# Altium PCB GameBoard_V1I1_Phase1.PcbDoc (part 3 of 18) (continued)
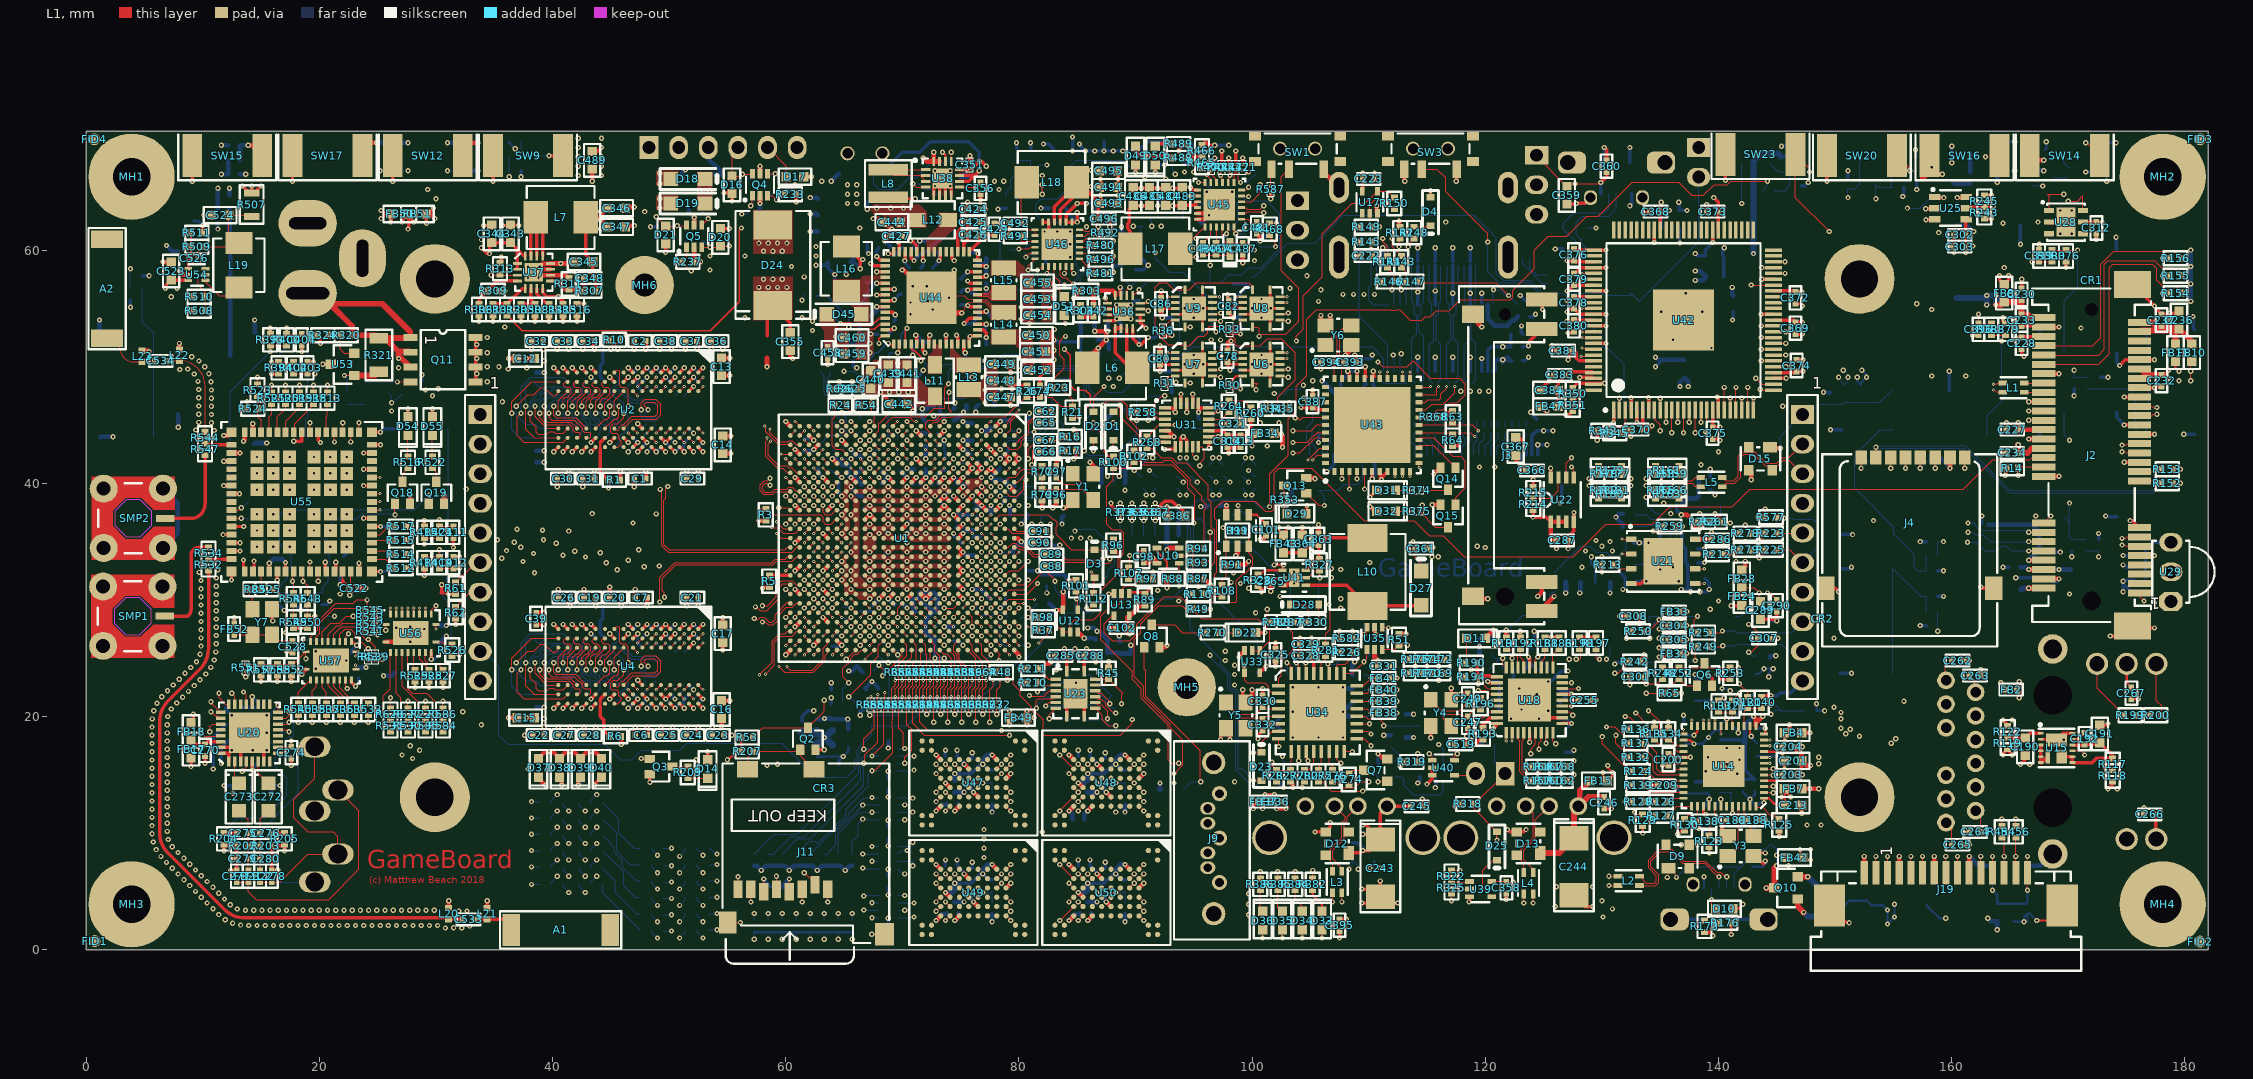
[diagram p0: L1 view]
## Components (designator, comment, footprint, x,y, rotation, side; value= is the part's Value field where it differs from the comment) (continued)
R673 "4k99" R0201 77.5,21 r270 top
R674 "0R" R0402 66.4,45 r90 bottom
RN1 "EXB-D10C103J" EXB-D10C103J 68.8,12.1 r0 bottom
RN2 "EXB-D10C103J" EXB-D10C103J 68.8,16.3 r0 bottom
RN3 "EXB-D10C103J" EXB-D10C103J 68.8,3.7 r0 bottom
RN4 "EXB-D10C103J" EXB-D10C103J 68.8,7.9 r0 bottom
SMP1 "Coax Conn" SMP-F 4,28.6 r90 top
SMP2 "Coax Conn" SMP-F 4.05,37 r90 top
SW1 "SSSS811101" SSSS811101 103.9,68.7 r180 top
SW2 "SSSS811101" SSSS811101 66.8,68.3 r0 bottom
SW3 "SSSS811101" SSSS811101 115.3,68.7 r180 top
SW4 "TL3301SPF160QG" TACT_SMD_PLUNGER 171.9,55.6 r90 bottom
SW5 "TL3301SPF160QG" TACT_SMD_PLUNGER 171.9,41.6 r90 bottom
SW6 "TL3301SPF160QG" TACT_SMD_PLUNGER 178.6,48.7 r90 bottom
SW7 "TL3301SPF160QG" TACT_SMD_PLUNGER 165.3,48.6 r90 bottom
SW8 "TL3301SPF160QG" TACT_SMD_PLUNGER 10.1,55.425 r270 bottom locked
SW9 "KSS331GLFS" TACT_SMD_RA 37.9,68.1 r0 top
SW10 "TL3301SPF160QG" TACT_SMD_PLUNGER 10.1,41.425 r270 bottom locked
SW11 "TL3301SPF160QG" TACT_SMD_PLUNGER 16.75,48.425 r270 bottom locked
SW12 "KSS331GLFS" TACT_SMD_RA 29.3,68.1 r0 top locked
SW13 "TL3301SPF160QG" TACT_SMD_PLUNGER 3.45,48.425 r270 bottom locked
SW14 "KSS331GLFS" TACT_SMD_RA 169.7,68.1 r0 top
SW15 "KSS331GLFS" TACT_SMD_RA 12.1,68.1 r0 top
SW16 "KSS331GLFS" TACT_SMD_RA 161.1,68.1 r0 top
SW17 "KSS331GLFS" TACT_SMD_RA 20.7,68.1 r0 top locked
SW18 "TL3301SPF160QG" TACT_SMD_PLUNGER 28.7,28.2 r270 bottom locked
SW19 "TL3301SPF160QG" TACT_SMD_PLUNGER 28.7,40.2 r270 bottom
SW20 "KSS331GLFS" TACT_SMD_RA 152.3,68.1 r0 top
SW21 "TL3301SPF160QG" TACT_SMD_PLUNGER 152.7,28.2 r270 bottom
SW22 "TL3301SPF160QG" TACT_SMD_PLUNGER 152.8,40.1 r270 bottom locked
SW23 "KSS331GLFS" TACT_SMD_RA 143.6,68.2 r0 top
TP1 "TP_25MILC" TP_25C 79.9,40.4 r90 bottom
TP2 "TP_25MILC" TP_25C 109.6,27.9 r90 bottom
TP3 "TP_25MILC" TP_25C 82,37.2 r90 bottom
TP4 "TP_25MILC" TP_25C 81.8,46.6 r90 bottom
TP5 "TP_25MILC" TP_25C 84.4,49 r90 bottom
TP6 "TP_25MILC" TP_25C 81.8,47.9 r90 bottom
TP7 "TP_25MILC" TP_25C 83.4,47.2 r90 bottom
TP8 "TP_25MILC" TP_25C 84.6,47.2 r90 bottom
TP9 "TP_25MILC" TP_25C 173.9,15.2 r180 bottom
TP10 "TP_25MILC" TP_25C 135.7,11.1 r90 bottom
TP11 "TP_25MILC" TP_25C 144.5,9.1 r90 bottom
TP12 "TP_25MILC" TP_25C 16.46,19.35 r90 bottom
TP13 "TP_25MILC" TP_25C 16.46,18.35 r90 bottom
TP14 "TP_25MILC" TP_25C 83.4,22.1 r180 bottom
TP15 "TP_25MILC" TP_25C 86.4,21 r180 bottom
TP16 "TP_25MILC" TP_25C 82.7,22.6 r180 bottom
TP17 "TP_25MILC" TP_25C 83.4,19.7 r180 bottom
TP18 "TP_25MILC" TP_25C 98.2,30.743 r0 bottom
TP19 "TP_25MILC" TP_25C 102.9,23.6 r90 bottom
TP20 "TP_25MILC" TP_25C 104,23.6 r90 bottom
TP21 "TP_25MILC" TP_25C 43.2,62.6 r270 bottom
TP22 "TP_25MILC" TP_25C 58.9,55.9 r270 bottom
TP23 "TP_25MILC" TP_25C 73,64.725 r270 bottom
TP24 "TP_25MILC" TP_25C 27.1,47.7 r90 bottom
TP25 "TP_25MILC" TP_25C 101.6,63 r90 bottom
TP26 "TP_25MILC" TP_25C 9.2,62.5 r90 bottom
TP27 "TP_25MILC" TP_25C 76.6,55.2 r270 bottom
TP28 "TP_25MILC" TP_25C 9,19.5 r270 bottom
TP29 "TP_25MILC" TP_25C 89.6,25.4 r270 bottom
TP30 "TP_25MILC" TP_25C 73.4,60.9 r270 bottom
TP31 "TP_25MILC" TP_25C 99.2,32.8 r270 bottom
TP32 "TP_25MILC" TP_25C 69.766,47 r270 bottom
TP33 "TP_25MILC" TP_25C 64.6,15.9 r90 bottom
TP34 "TP_25MILC" TP_25C 87.7,51.5 r270 bottom
TP35 "TP_25MILC" TP_25C 78,54.3 r270 bottom
TP36 "TP_25MILC" TP_25C 77.2,59.3 r270 bottom
TP37 "TP_25MILC" TP_25C 63.4,51.9 r180 bottom
TP38 "TP_25MILC" TP_25C 66.9,57.2 r270 bottom
TP39 "TP_25MILC" TP_25C 96.6,53.7 r270 bottom
TP40 "TP_25MILC" TP_25C 63.7,56.1 r90 bottom
TP41 "TP_25MILC" TP_25C 63.7,54.7 r90 bottom
TP42 "TP_25MILC" TP_25C 62.9,49.6 r90 bottom
TP43 "TP_25MILC" TP_25C 63.8,49.6 r90 bottom
TP44 "TP_25MILC" TP_25C 94.1,62.6 r270 bottom
TP45 "TP_25MILC" TP_25C 92.6,64.5 r270 bottom
TP46 "TP_25MILC" TP_25C 99.4,61.3 r270 bottom
TP47 "TP_25MILC" TP_25C 93.7,69.3 r270 bottom
TP48 "TP_25MILC" TP_25C 100.4,66.6 r270 bottom
TP49 "TP_25MILC" TP_25C 98.9,67 r270 bottom
TP50 "TP_25MILC" TP_25C 87.1,61 r270 bottom
TP51 "TP_25MILC" TP_25C 86.9,65.4 r270 bottom
TP52 "TP_25MILC" TP_25C 111.5,26.7 r90 bottom
TP53 "TP_25MILC" TP_25C 108.6,26.7 r90 bottom
TP54 "TP_25MILC" TP_25C 114.383,19.3 r90 bottom
TP55 "TP_25MILC" TP_25C 107.4,24.7 r90 bottom
TP56 "TP_25MILC" TP_25C 103.2,48.075 r90 bottom
TP57 "TP_25MILC" TP_25C 14,37 r90 bottom
TP58 "TP_25MILC" TP_25C 14,38.5 r90 bottom
TP59 "TP_25MILC" TP_25C 19.9,32.5 r90 bottom
TP60 "TP_25MILC" TP_25C 18.9,32.5 r90 bottom
U1 "MCIMX6Q5EYM10AC_v.ORX" PBGA624 70,35.3 r270 top locked
U2 "MT41J128M16JT-125:KTR" 96_FPGA_DD3_14MMX10MM-SMALL_SIZE 46.5,46.3 r270 top locked
U3 "MT41J128M16JT-125:KTR" 96_FPGA_DD3_14MMX10MM-SMALL_SIZE 46.5,46.3 r90 bottom locked
U4 "MT41J128M16JT-125:KTR" 96_FPGA_DD3_14MMX10MM-SMALL_SIZE 46.5,24.3 r270 top locked
U5 "MT41J128M16JT-125:KTR" 96_FPGA_DD3_14MMX10MM-SMALL_SIZE 46.5,24.3 r90 bottom locked
U6 "HD3SS3411IRWAR" QFN50P330X330X80_HS-15N 100.8,50.2 r0 top locked
U7 "HD3SS3411IRWAR" QFN50P330X330X80_HS-15N 95,50.2 r0 top locked
U8 "HD3SS3411IRWAR" QFN50P330X330X80_HS-15N 100.8,55 r0 top locked
U9 "HD3SS3411IRWAR" QFN50P330X330X80_HS-15N 95,55 r0 top locked
U10 "SN74AHC1G09DCKR" SC70_5 92.8,33.8 r180 top
U11 "TPS3808G09DBVRG4" DBV_SOT_23_6 98.75,35.95 r90 top locked value=TPS3808G09DBVR
U12 "SN74LVC1G08DCKR" SC70_5 84.4,28.2 r90 top
U13 "SN74AHC1G09DCKR" SC70_5 88.8,29.6 r270 top
U14 "KSZ9031RNXIA" QFN48_SMALL_EP_7MMX7MM 140.45,15.74 r180 top
U15 "MIC33050-4YHL TR" MLF_3X3_12PINS 169,17.3 r0 top
U16 "CM2020-00TR" TSSOP_38 116.2,52.45 r90 bottom locked
U17 "SN74LVC1G17DCKR" SC70_5 110.1,64.1 r90 top
U18 "USB2514BI-AEZG" QFN36_6MMX6MM 123.8,21.4 r90 top
U19 "MIC2026-1YM TR" 8_SOIC_3.9MM 128.8,28.7 r90 bottom
U20 "SGTL5000XNAA3R2" "QFN32 5X5X0.85_V1.1" 14,18.6 r90 top
U21 "SST26VF032B-104I/MF" WSON8_6X5MM 135.25,33.305 r0 top locked
U22 "BR24L02FVM-WTR" "MSOP8 _SMALLER" 126.6,38.6 r90 top
U23 "SN74AVC4T245RGYR" "RGY (R-PVQFN-N16)" 84.85,21.95 r270 top
U24 "SN74LVC1G08DCKR" SC70_5 132.8,24 r0 bottom
U25 "TMP101NA" SOT23-6_DBV6 159.9,63.6 r0 top
U26 "TJA1040T" 8_SOIC_3.9MM 138.6,26.7 r0 bottom
U27 "SN74LVC1G08DCKR" SC70_5 133.1,27.9 r180 bottom
U28 "SHT21" 6_DFN_3MMX3MM 169.8,62.4 r0 top
U29 "TSOP38238" TSOP382 178.8,29.86 r180 top
U30 "FXOS8700CQR1" QFN16_3X3MM 136.4,36.9 r0 bottom
U31 "FXAS21002CQR1" QFN24_4X4MM 94.4,45 r0 top
U32 "SN74LVC1G14DCKR" SC70_5 132.1,34 r270 bottom
U33 "SN74AHC1G09DCKR" SC70_5 100,24.7 r270 top
U34 "LPC1345FHN33,551-ND" HVQFN33_7X7MM 105.625,20.35 r0 top locked
U35 "TS5A3157DCKR" SC70_6 110.5,26.7 r270 top
U36 "ISL8024AIRTAJZ-T7A" 16-TQFN_3MMX3MM_V1.1 89,54.7 r180 top locked
U37 "ISL8024AIRTAJZ-T7A" 16-TQFN_3MMX3MM_V1.1 38.4,58.1 r0 top locked
U38 "TPS62133RGTR" QFN16_3MMX3MM 73.45,66.15 r0 top locked
U39 "M74VHC1GT126DF1G" SC70_5 119.6,5.2 r0 top
U40 "M74VHC1GT126DF1G" SC70_5 116.4,15.6 r0 top
U41 "TPS61165DRVR" SON65P200X80_HS-7N 103.6,31.9 r0 top
U42 "TFP401AIPZPRQ1" TSQFP50P1600X1600X120_HS-101N 137,54 r90 top locked
U43 "PIC18F4550-I/ML" QFN44_8MMX8MM 110.3,45 r90 top
U44 "MMPF0100NPAEP" "56-VFQFN EP" 72.5,55.9 r90 top locked
U45 "BQ25890RTWR" RTW0024H 97.2,63.9 r180 top locked
U46 "BQ25892RTWR" RTW0024H 83.3,60.5 r90 top locked
U47 "MX30LF4G18AC-XKI" BGA63_9X11MM_FLASH 76.1,14.3 r270 top locked
U48 "MX30LF4G18AC-XKI" BGA63_9X11MM_FLASH 87.5,14.3 r270 top locked
U49 "MX30LF4G18AC-XKI" BGA63_9X11MM_FLASH 76.1,4.9 r270 top locked
U50 "MX30LF4G18AC-XKI" BGA63_9X11MM_FLASH 87.5,4.9 r270 top locked
U51 "SN74AHC1G09DCKR" SC70_5 116.4,15.5 r90 bottom
U52 "74AHCT1G04SE-7" SOT353 113.3,15.5 r180 bottom
U53 "TL431AQDBZR" SOT-23-3-123 22,50.2 r180 top
U54 "TLV62568DRLR" DRL0006A 9.5,57.9 r0 top
U55 "WL1837MODGIMOCR" MOC0100A 18.5,38.4 r270 top locked value=Value
U56 "TXS0108ERGYR" RGY0020A 27.85,27.15 r270 top locked
U57 "TXS0108ERGYR" RGY0020A 21,24.8 r270 top locked
Y1 "24MHz" ABM8 85.5,39.7 r270 top
Y2 "32.768kHz" ABS06 81.7,39.5 r270 bottom
Y3 "25.000MHz" ABM8G 141.9,8.9 r0 top
Y4 "24MHz" ABM8 116.2,20.3 r270 top
Y5 "7M-12.000MAHE-T" 7M 98.6,20.1 r270 top
Y6 "7M-20.000MAAJ-T" 7M 107.4,52.7 r0 top locked
Y7 "7XZ3270026" TXC_7XZ 15.1,28.1 r180 top

## Footprints (in the part's own frame and the unit in brackets; to place one, negate y for a bottom-side part, rotate by r counter-clockwise, add the part's x,y. Pads: shape width x height; smd on the part's side, far side on the other; paste and mask are expansions set on the pad)
6_DFN_3MMX3MM [mm]
  rect 0.85x0.45 smd mask+0.045: 1(-1.45,1) 2(-1.45,0) 3(-1.45,-1) 4(1.45,-1) 5(1.45,0) 6(1.45,1)
  rect 1.6x2.5 smd mask+0.045: 7(0,0)
  silkscreen extent -2.05,-1.6 1.6,1.75, body extent -1.51,-1.5 1.51,1.5, height 1.13
7M [mm]
  rect 1.4x1.2 smd mask+0.1: 1(-1.1,-0.85) 2(1.1,-0.85) 3(1.1,0.85) 4(-1.1,0.85)
  silkscreen extent -2.35,-1.4 0.1,1.4, body extent -1.65,-1.3 1.65,1.3, height 0.8
8_SOIC_3.9MM [mm]
  rect 1.2x0.58 smd: 1(-2.8,1.905) 2(-2.8,0.635) 3(-2.8,-0.635) 4(-2.8,-1.905) 5(2.8,-1.905) 6(2.8,-0.635) 7(2.8,0.635) 8(2.8,1.905)
  silkscreen extent -1.91,-2.54 1.91,2.54, body extent -3,-2.45 3,2.45, height 1.75
16-TQFN_3MMX3MM_V1.1 [mm]
  rect 0.78x0.23 smd mask+0.03: 1(-1.41,0.75) 2(-1.41,0.25) 3(-1.41,-0.25) 4(-1.41,-0.75) 9(1.41,-0.75) 10(1.41,-0.25) 11(1.41,0.25) 12(1.41,0.75)
  rect 0.23x0.78 smd mask+0.03: 5(-0.75,-1.41) 6(-0.25,-1.41) 7(0.25,-1.41) 8(0.75,-1.41) 13(0.75,1.41) 14(0.25,1.41) 15(-0.25,1.41) 16(-0.75,1.41)
  rect 1.6x1.6 smd mask+0.03: 17(0,0)
  silkscreen extent -1.6,-1.6 1.6,1.6, body extent -1.5,-1.5 1.5,1.5, height 0.9
"56-VFQFN EP" [mm]
  rect 0.8x0.3 smd mask+0.03: 1(-3.95,3.25) 2(-3.95,2.75) 3(-3.95,2.25) 4(-3.95,1.75) 5(-3.95,1.25) 6(-3.95,0.75) 7(-3.95,0.25) 8(-3.95,-0.25) 9(-3.95,-0.75) 10(-3.95,-1.25) 11(-3.95,-1.75) 12(-3.95,-2.25) 13(-3.95,-2.75) 14(-3.95,-3.25) 29(3.95,-3.25) 30(3.95,-2.75) 31(3.95,-2.25) 32(3.95,-1.75) 33(3.95,-1.25) 34(3.95,-0.75) 35(3.95,-0.25) 36(3.95,0.25) 37(3.95,0.75) 38(3.95,1.25) 39(3.95,1.75) 40(3.95,2.25) 41(3.95,2.75) 42(3.95,3.25)
  rect 0.3x0.8 smd mask+0.03: 15(-3.25,-3.95) 16(-2.75,-3.95) 17(-2.25,-3.95) 18(-1.75,-3.95) 19(-1.25,-3.95) 20(-0.75,-3.95) 21(-0.25,-3.95) 22(0.25,-3.95) 23(0.75,-3.95) 24(1.25,-3.95) 25(1.75,-3.95) 26(2.25,-3.95) 27(2.75,-3.95) 28(3.25,-3.95) 43(3.25,3.95) 44(2.75,3.95) 45(2.25,3.95) 46(1.75,3.95) 47(1.25,3.95) 48(0.75,3.95) 49(0.25,3.95) 50(-0.25,3.95) 51(-0.75,3.95) 52(-1.25,3.95) 53(-1.75,3.95) 54(-2.25,3.95) 55(-2.75,3.95) 56(-3.25,3.95)
  rect 4.5x4.3 smd paste-10 mask+0.03: 57(0,0)
  silkscreen extent -4.1,-4.1 4.1,4.1, body extent -4,-4 4,4, height 0.9
96_FPGA_DD3_14MMX10MM-SMALL_SIZE [mm]
  round 0.35 smd mask+0.05: A1(-3.2,6) A2(-2.4,6) A3(-1.6,6) A7(1.6,6) A8(2.4,6) A9(3.2,6) B1(-3.2,5.2) B2(-2.4,5.2) B3(-1.6,5.2) B7(1.6,5.2) B8(2.4,5.2) B9(3.2,5.2) C1(-3.2,4.4) C2(-2.4,4.4) C3(-1.6,4.4) C7(1.6,4.4) C8(2.4,4.4) C9(3.2,4.4) D1(-3.2,3.6) D2(-2.4,3.6) D3(-1.6,3.6) D7(1.6,3.6) D8(2.4,3.6) D9(3.2,3.6) E1(-3.2,2.8) E2(-2.4,2.8) E3(-1.6,2.8) E7(1.6,2.8) E8(2.4,2.8) E9(3.2,2.8) F1(-3.2,2) F2(-2.4,2) F3(-1.6,2) F7(1.6,2) F8(2.4,2) F9(3.2,2) G1(-3.2,1.2) G2(-2.4,1.2) G3(-1.6,1.2) G7(1.6,1.2) G8(2.4,1.2) G9(3.2,1.2) H1(-3.2,0.4) H2(-2.4,0.4) H3(-1.6,0.4) H7(1.6,0.4) H8(2.4,0.4) H9(3.2,0.4) J1(-3.2,-0.4) J2(-2.4,-0.4) J3(-1.6,-0.4) J7(1.6,-0.4) J8(2.4,-0.4) J9(3.2,-0.4) K1(-3.2,-1.2) K2(-2.4,-1.2) K3(-1.6,-1.2) K7(1.6,-1.2) K8(2.4,-1.2) K9(3.2,-1.2) L1(-3.2,-2) L2(-2.4,-2) L3(-1.6,-2) L7(1.6,-2) L8(2.4,-2) L9(3.2,-2) M1(-3.2,-2.8) M2(-2.4,-2.8) M3(-1.6,-2.8) M7(1.6,-2.8) M8(2.4,-2.8) M9(3.2,-2.8) N1(-3.2,-3.6) N2(-2.4,-3.6) N3(-1.6,-3.6) N7(1.6,-3.6) N8(2.4,-3.6) N9(3.2,-3.6) P1(-3.2,-4.4) P2(-2.4,-4.4) P3(-1.6,-4.4) P7(1.6,-4.4) P8(2.4,-4.4) P9(3.2,-4.4) R1(-3.2,-5.2) R2(-2.4,-5.2) R3(-1.6,-5.2) R7(1.6,-5.2) R8(2.4,-5.2) R9(3.2,-5.2) T1(-3.2,-6) T2(-2.4,-6) T3(-1.6,-6) T7(1.6,-6) T8(2.4,-6) T9(3.2,-6)
  silkscreen extent -5.1,-7.1 5.1,7.1, body extent -5,-7 5,7, height 1.2
522710479 [mm] "CONN FPC BOTTOM 6POS 1.00MM R/A"
  rect 0.6x1.9 smd mask+0.06: 1(-2.5,3.55) 2(-1.5,3.55) 3(-0.5,3.55) 4(0.5,3.55) 5(1.5,3.55) 6(2.5,3.55)
  rect 2.1x2.8 smd mask+0.06: ""(-5.4,1.2) ""(5.4,1.2)
  silkscreen extent -6.5,-4.5 6.5,4.7, body extent -6.5,-4.5 6.5,4.2, height 3
0541324062 [mm] "CONN FFC BOTTOM 40POS 0.50MM R/A"
  rect 0.3x1.1 smd mask+0.025: 1(-9.75,1.5) 2(-9.25,1.5) 3(-8.75,1.5) 4(-8.25,1.5) 5(-7.75,1.5) 6(-7.25,1.5) 7(-6.75,1.5) 8(-6.25,1.5) 9(-5.75,1.5) 10(-5.25,1.5) 11(-4.75,1.5) 12(-4.25,1.5) 13(-3.75,1.5) 14(-3.25,1.5) 15(-2.75,1.5) 16(-2.25,1.5) 17(-1.75,1.5) 18(-1.25,1.5) 19(-0.75,1.5) 20(-0.25,1.5) 21(0.25,1.5) 22(0.75,1.5) 23(1.25,1.5) 24(1.75,1.5) 25(2.25,1.5) 26(2.75,1.5) 27(3.25,1.5) 28(3.75,1.5) 29(4.25,1.5) 30(4.75,1.5) 31(5.25,1.5) 32(5.75,1.5) 33(6.25,1.5) 34(6.75,1.5) 35(7.25,1.5) 36(7.75,1.5) 37(8.25,1.5) 38(8.75,1.5) 39(9.25,1.5) 40(9.75,1.5)
  rect 2.4x2.4 smd mask+0.076: 41(-11.8,-1.15) 42(11.8,-1.15)
  silkscreen extent -13.3,-7.75 13.3,0.57, body extent -12.75,-5.4 12.75,1.75, height 2
693071010811 [mm]
  rect 0.8x1.5 smd mask+0.09: 1(-1.815,3.225) 2(-0.715,2.825) 3(0.385,3.225) 4(1.485,3.425) 5(2.585,3.225) 6(3.685,3.425) 7(4.785,3.225) 8(5.885,3.225)
  rect 1.8x1.4 smd: 9(-0.625,-7.075) 10(5.075,-7.075)
  rect 1.5x1.9 smd: 11(6.775,6.075)
  rect 1.6x1.9 smd: 12(-6.675,7.075)
  silkscreen extent -7.07,-7.57 7.22,9.6, body extent -6.87,-7.46 7.13,7.75, height 1.83
ABM8 [mm]
  rect 1.35x1.15 smd mask+0.1: 1(-1.125,-0.875) 2(1.125,-0.875) 3(1.125,0.875) 4(-1.125,0.875)
  silkscreen extent -2.35,-1.4 0.1,1.4, body extent -1.6,-1.25 1.6,1.25, height 0.76
ABM8G [mm]
  rect 1.4x1.2 smd mask+0.1: 1(-1.1,-0.85) 2(1.1,-0.85) 3(1.1,0.85) 4(-1.1,0.85)
  silkscreen extent -1.9,-1.9 0.1,1.4, body extent -1.6,-1.25 1.6,1.25, height 1.02
ABS06 [mm]
  rect 0.75x1.4 smd: 1(-0.725,0) 2(0.725,0)
  silkscreen extent -1.4,-1 1.4,1, body extent -1,-0.62 1,0.6, height 0.61
ACM2012 [mm]
  rect 0.75x0.4 smd mask+0.076: 1(-0.925,0.4) 2(-0.925,-0.4) 3(0.925,-0.4) 4(0.925,0.4)
  silkscreen extent -1.1,-0.9 1.1,0.9, body extent -1.2,-0.7 1.2,0.7, height 1.3
BGA63_9X11MM_FLASH [mm] "MX30LF4G18AC-XKI"
  round 0.45 smd: A1(-3.6,4.4) A2(-2.8,4.4) A9(2.8,4.4) A10(3.6,4.4) B1(-3.6,3.6) B9(2.8,3.6) B10(3.6,3.6) C3(-2,2.8) C4(-1.2,2.8) C5(-0.4,2.8) C6(0.4,2.8) C7(1.2,2.8) C8(2,2.8) D3(-2,2) D4(-1.2,2) D5(-0.4,2) D6(0.4,2) D7(1.2,2) D8(2,2) E3(-2,1.2) E4(-1.2,1.2) E5(-0.4,1.2) E6(0.4,1.2) E7(1.2,1.2) E8(2,1.2) F3(-2,0.4) F4(-1.2,0.4) F5(-0.4,0.4) F6(0.4,0.4) F7(1.2,0.4) F8(2,0.4) G3(-2,-0.4) G4(-1.2,-0.4) G5(-0.4,-0.4) G6(0.4,-0.4) G7(1.2,-0.4) G8(2,-0.4) H3(-2,-1.2) H4(-1.2,-1.2) H5(-0.4,-1.2) H6(0.4,-1.2) H7(1.2,-1.2) H8(2,-1.2) J3(-2,-2) J4(-1.2,-2) J5(-0.4,-2) J6(0.4,-2) J7(1.2,-2) J8(2,-2) K3(-2,-2.8) K4(-1.2,-2.8) K5(-0.4,-2.8) K6(0.4,-2.8) K7(1.2,-2.8) K8(2,-2.8) L1(-3.6,-3.6) L2(-2.8,-3.6) L9(2.8,-3.6) L10(3.6,-3.6) M1(-3.6,-4.4) M2(-2.8,-4.4) M9(2.8,-4.4) M10(3.6,-4.4)
  silkscreen extent -4.5,-5.5 4.5,5.5, body extent -4.5,-5.5 4.5,5.5, height 1
C0201 [mm]
  rect 0.3x0.3 smd mask+0.04: 1(-0.265,0) 2(0.265,0)
  silkscreen extent -0.6,-0.3 0.6,0.3, body extent -0.3,-0.15 0.3,0.15, height 0.3
C0402 [mm]
  rect 0.5x0.5 smd: 1(-0.5,0) 2(0.5,0)
  silkscreen extent -1,-0.5 1,0.5, body extent -0.5,-0.25 0.5,0.25, height 0.56
C0603 [mm]
  rect 0.8x0.8 smd: 1(-0.75,0) 2(0.75,0)
  silkscreen extent -1.4,-0.7 1.4,0.7, body extent -0.8,-0.42 0.8,0.44, height 0.95
C0603_SMALL [mm]
  rect 0.7x0.8 smd: 1(-0.65,0) 2(0.65,0)
  silkscreen extent -1.3,-0.7 1.3,0.7, body extent -0.8,-0.42 0.8,0.44, height 0.95
C0805 [mm]
  rect 0.9x1.3 smd: 1(-0.95,0) 2(0.95,0)
  silkscreen extent -1.78,-1.02 1.78,1.02, body extent -1,-0.6 1,0.6, height 1.5
"C1206 -  TLN S CASE TANTAL" [mm]
  rect 1.15x1.2 smd: 1(-1.175,0) 2(1.175,0)
  silkscreen extent -2.29,-1.14 2.29,1.14, body extent -1.6,-0.8 1.6,0.8, height 1.21
C2312 [mm]
  rect 2.1x2.5 smd mask+0.09: 1(-2.45,0) 2(2.45,0)
  silkscreen extent -4.07,-1.7 3.8,1.7, body extent -3.09,-1.61 3.09,1.6, height 2.7
C2917 [mm]
  rect 2.37x2.43 smd: 1(-3.12,0) 2(3.12,0)
  silkscreen extent -4.64,-2.65 4.65,2.65, body extent -3.8,-2.3 3.8,2.3, height 3.1
DBV_SOT_23_6 [mm]
  rect 1x0.55 smd: 1(-1.35,0.95) 2(-1.35,0) 3(-1.35,-0.95) 4(1.35,-0.95) 5(1.35,0) 6(1.35,0.95)
  silkscreen extent -2,-1.59 0.9,1.74, body extent -1.59,-1.59 1.59,1.59, height 1.45
DRL0006A [mm] "SOTFL, 6-Flat Leads, Body 1.2x1.6x0.6mm, Pitch 0.5mm, TI recommended"
  rrect33% 0.67x0.3 smd: 1(-0.74,0.5) 2(-0.74,0) 3(-0.74,-0.5) 4(0.74,-0.5) 5(0.74,0) 6(0.74,0.5)
  silkscreen extent -0.7,-0.95 0.7,0.9, body extent -0.8,-0.8 0.8,0.8, height 0.61
EXB-D10C103J [mm]
  rect 0.35x0.6 smd mask+0.03: 1(0,1.6) 6(0,-1.6)
  rect 0.6x0.35 smd mask+0.03: 2(-0.8,0.952) 3(-0.8,0.318) 4(-0.8,-0.318) 5(-0.8,-0.952) 7(0.8,-0.952) 8(0.8,-0.318) 9(0.8,0.318) 10(0.8,0.952)
  silkscreen extent -0.8,-1.6 0.8,1.6, body extent -0.8,-1.6 0.8,1.6, height 0.51
FID_40X52D [mm]
  round 1.016 smd paste-1.016 mask+0.15: 1(-0.3,0.3)
"HDMI V1.1" [mm]
  rect 2.6x0.3 smd mask+0.025: 1(-3.36,4.5) 2(-3.36,4) 3(-3.36,3.5) 4(-3.36,3) 5(-3.36,2.5) 6(-3.36,2) 7(-3.36,1.5) 8(-3.36,1) 9(-3.36,0.5) 10(-3.36,0) 11(-3.36,-0.5) 12(-3.36,-1) 13(-3.36,-1.5) 14(-3.36,-2) 15(-3.36,-2.5) 16(-3.36,-3) 17(-3.36,-3.5) 18(-3.36,-4) 19(-3.36,-4.5)
  oval 3.7x1.7 hole 0.9 slot 2.7 at 0 deg: MTG1(-2.6,7.25) MTG3(-2.6,-7.25)
  oval 2.7x1.7 hole 0.9 slot 1.7 at 0 deg: MTG2(3.36,7.25) MTG4(3.36,-7.25)
  silkscreen extent -5.1,-10 12.05,10, body extent -4.2,-7.5 7.95,7.5, height 6.28
HDR_1X2_2.54MM [mm]
  rect 2x1.6 hole 1.1: 1(0,0)
  oval 2x1.6 hole 1.1: 2(0,-2.54)
  silkscreen extent -1.3,-3.81 1.3,1.27, body extent -1.2,-3.62 1.21,1.06, height 8.4
HDR_1X3_2.54MM [mm]
  rect 2x1.6 hole 1.1: 1(0,0)
  oval 2x1.6 hole 1.1: 2(0,-2.54) 3(0,-5.08)
  silkscreen extent -1.3,-6.25 1.3,1.27, body extent -1.2,-6.16 1.21,1.06, height 8.4
HDR_1X6_2.54MM [mm]
  rect 2x1.6 hole 1.1: 1(0,0)
  oval 2x1.6 hole 1.1: 2(0,-2.54) 3(0,-5.08) 4(0,-7.62) 5(0,-10.16) 6(0,-12.7)
  silkscreen extent -1.3,-13.97 1.3,1.27, body extent -1.2,-13.77 1.21,1.07, height 8.4
HVQFN33_7X7MM [mm]
  rect 1.1x0.3 smd mask+0.06: 1(-3.35,2.275) 2(-3.35,1.625) 3(-3.35,0.975) 4(-3.35,0.325) 5(-3.35,-0.325) 6(-3.35,-0.975) 7(-3.35,-1.625) 8(-3.35,-2.275) 17(3.35,-2.275) 18(3.35,-1.625) 19(3.35,-0.975) 20(3.35,-0.325) 21(3.35,0.325) 22(3.35,0.975) 23(3.35,1.625) 24(3.35,2.275)
  rect 0.3x1.1 smd mask+0.06: 9(-2.275,-3.35) 10(-1.625,-3.35) 11(-0.975,-3.35) 12(-0.325,-3.35) 13(0.325,-3.35) 14(0.975,-3.35) 15(1.625,-3.35) 16(2.275,-3.35) 25(2.275,3.35) 26(1.625,3.35) 27(0.975,3.35) 28(0.325,3.35) 29(-0.325,3.35) 30(-0.975,3.35) 31(-1.625,3.35) 32(-2.275,3.35)
  rect 4.85x4.85 smd paste-10 mask+0.06: 33(0,0)
  silkscreen extent -3.6,-3.6 3.6,3.6, body extent -3.5,-3.5 3.5,3.5, height 1
IFSC_79MILX98MIL [mm]
  rect 1.3x2.1 smd: 1(-1.05,0) 2(1.05,0)
  silkscreen extent -0.1,-1.1 0.1,1.1, body extent -1.3,-1 1.3,1, height 1.2
IHLP_118MILX144MIL [mm]
  rect 1.5x1.2 smd: 1(-1.35,0) 2(1.35,0)
  silkscreen extent -1.9,-1.6 1.9,1.6, body extent -1.9,-1.5 1.9,1.5, height 1.5
IHLP_160MILX175MIL [mm]
  rect 1.9x2.3 smd: 1(-1.9,0) 2(1.9,0)
  silkscreen extent -2.3,-2.2 2.3,2.2, body extent -2.3,-2.1 2.3,2.1, height 1.2
IHLP_204MILX216MIL [mm]
  rect 2.115x2.79 smd: 1(-2.137,0) 2(2.138,0)
  silkscreen extent -2.9,-2.7 2.9,2.7, body extent -2.75,-2.6 2.75,2.6, height 3
IHLP_255MILX255MIL [mil]
  rect 95x135 smd: 1(-115,0) 2(115,0)
  silkscreen extent -128,-128 128,128, body extent -128,-128 128,128, height 118
L829-1J1T-43 [mil]
  round 60 hole 35.43: 1(-200,-305) 2(-120,-305) 3(-40,-305) 4(40,-305) 5(120,-305) 6(200,-305) 7(-240,-405) 8(-160,-405) 9(-80,-405) 10(80,-405) 11(160,-405) 12(240,-405)
  round 75 hole 51.18: 13(-296,205) 14(-296,305) 15(296,105) 16(296,205) 17(296,305)
  round 100 hole 63: 18(-346,-45) 19(346,-45)
  round 0 hole 129.92: ""(-190,-45) ""(190,-45)
  silkscreen extent -346,-475 346,475, body extent -401,-472 401,495, height 494
LED_0603 [mm]
  rect 0.8x0.8 smd: 1(-0.8,0) 2(0.8,0)
  silkscreen extent -1.78,-0.76 1.52,0.76, body extent -0.85,-0.4 0.85,0.4, height 0.66
"LI-ION BAT" [mm]
  body extent 0,0 54,72, height 8.3
LQP_0402 [mm] "SMD, 2-Leads, Body 1.1x0.6mm"
  rect 0.55x0.6 smd: 1(-0.475,0) 2(0.475,0)
  body extent -0.55,-0.3 0.55,0.3, height 0.45
MH_5MMD_2MMD [mm]
  round 5 / inner round 3.683 / far side round 5 hole 2: 1(0,0)
MH_7.4MMD_3.2MMD [mm]
  round 7.4 / inner round 3.683 / far side round 7.4 hole 3.2 mask+0.025: 1(0,0)
MICRO_SD_CARD [mm]
  body extent -8.65,-13.74 2.35,1.26, height 1.95
MICRO_SIM_CARD [mm]
  body extent 0,-15 12,0, height 1.7
MINI_PCIE_52PIN_CARD_CON [mm]
  rect 2x0.6 smd mask+0.05: 1(-4.1,-0.7) 2(4.1,-1.1) 3(-4.1,-1.5) 4(4.1,-1.9) 5(-4.1,-2.3) 6(4.1,-2.7) 7(-4.1,-3.1) 8(4.1,-3.5) 9(-4.1,-3.9) 10(4.1,-4.3) 11(-4.1,-4.7) 12(4.1,-5.1) 13(-4.1,-5.5) 14(4.1,-5.9) 15(-4.1,-6.3) 16(4.1,-6.7) 17(-4.1,-10.3) 18(4.1,-10.7) 19(-4.1,-11.1) 20(4.1,-11.5) 21(-4.1,-11.9) 22(4.1,-12.3) 23(-4.1,-12.7) 24(4.1,-13.1) 25(-4.1,-13.5) 26(4.1,-13.9) 27(-4.1,-14.3) 28(4.1,-14.7) 29(-4.1,-15.1) 30(4.1,-15.5) 31(-4.1,-15.9) 32(4.1,-16.3) 33(-4.1,-16.7) 34(4.1,-17.1) 35(-4.1,-17.5) 36(4.1,-17.9) 37(-4.1,-18.3) 38(4.1,-18.7) 39(-4.1,-19.1) 40(4.1,-19.5) 41(-4.1,-19.9) 42(4.1,-20.3) 43(-4.1,-20.7) 44(4.1,-21.1) 45(-4.1,-21.5) 46(4.1,-21.9) 47(-4.1,-22.3) 48(4.1,-22.7) 49(-4.1,-23.1) 50(4.1,-23.5) 51(-4.1,-23.9) 52(4.1,-24.3)
  rect 3.2x2.3 smd: 53(-3.5,2.15) 54(-3.5,-27.15)
  rrect70% 0x0 hole 1.6 unplated: 55(0,0)
  rrect70% 0x0 hole 1.1 unplated: 56(0,-25)
  silkscreen extent -5.1,-26.8 5.1,1.8, body extent -5,-27.35 5,2.35, height 5.95
MINI_PCIE_52PIN_CARD_LATCH [mm]
  rect 2.7x1.2 smd mask+0.09: 1(-3.15,1.25) 2(-3.15,-1.25) 4(-3.15,-22.95) 5(-3.15,-25.45)
  rect 1.9x1.5 smd mask+0.09: 3(2.75,0) 6(2.75,-24.2)
  rrect70% 0x0 hole 1.55 mask+0.09: 7(0,0)
  rrect70% 0x0 hole 1.05 mask+0.09: 8(0,-24.2)
  silkscreen extent -3.35,-26.6 3.95,2.4, body extent -3.95,-26.6 3.95,2.4, height 6.7
"MINI_PCIE_FULL CARD" [mm]
  body extent 0,0 50.95,30, height 6.9
MLF_3X3_12PINS [mm]
  rect 0.48x0.23 smd mask+0.076: 1(-1.36,1.25) 2(-1.36,0.75) 3(-1.36,0.25) 4(-1.36,-0.25) 5(-1.36,-0.75) 6(-1.36,-1.25) 7(1.36,-1.25) 8(1.36,-0.75) 9(1.36,-0.25) 10(1.36,0.25) 11(1.36,0.75) 12(1.36,1.25)
  rect 1.8x1.125 smd mask+0.025: 13(0,0.699)
  rect 0.4x1.19 smd mask+0.076: 14(-0.77,-0.73)
  rect 0.9x1.19 smd mask+0.025: 15(0.45,-0.73)
  silkscreen extent -1.52,-1.65 1.52,2.1, body extent -1.52,-1.65 1.52,1.65, height 0.9
MOC0100A [mm]
  rect 0.85x0.85 smd paste-0.069 mask-0.051: 1(-5.975,6.025) 17(-5.975,-6.025) 33(5.975,-6.025) 49(5.975,6.025)
  rect 0.85x0.5 smd paste-0.05 mask-0.051: 2(-5.975,4.9) 3(-5.975,4.2) 4(-5.975,3.5) 5(-5.975,2.8) 6(-5.975,2.1) 7(-5.975,1.4) 8(-5.975,0.7) 9(-5.975,0) 10(-5.975,-0.7) 11(-5.975,-1.4) 12(-5.975,-2.1) 13(-5.975,-2.8) 14(-5.975,-3.5) 15(-5.975,-4.2) 16(-5.975,-4.9) 34(5.975,-4.9) 35(5.975,-4.2) 36(5.975,-3.5) 37(5.975,-2.8) 38(5.975,-2.1) 39(5.975,-1.4) 40(5.975,-0.7) 41(5.975,0) 42(5.975,0.7) 43(5.975,1.4) 44(5.975,2.1) 45(5.975,2.8) 46(5.975,3.5) 47(5.975,4.2) 48(5.975,4.9)
  rect 0.5x0.85 smd paste-0.05 mask-0.051: 18(-4.9,-6.025) 19(-4.2,-6.025) 20(-3.5,-6.025) 21(-2.8,-6.025) 22(-2.1,-6.025) 23(-1.4,-6.025) 24(-0.7,-6.025) 25(0,-6.025) 26(0.7,-6.025) 27(1.4,-6.025) 28(2.1,-6.025) 29(2.8,-6.025) 30(3.5,-6.025) 31(4.2,-6.025) 32(4.9,-6.025) 50(4.9,6.025) 51(4.2,6.025) 52(3.5,6.025) 53(2.8,6.025) 54(2.1,6.025) 55(1.4,6.025) 56(0.7,6.025) 57(0,6.025) 58(-0.7,6.025) 59(-1.4,6.025) 60(-2.1,6.025) 61(-2.8,6.025) 62(-3.5,6.025) 63(-4.2,6.025) 64(-4.9,6.025)
  rect 1.1x1.1 smd paste-0.075 mask-0.051: G1(-3.85,3.85) G2(-3.85,2.45) G3(-3.85,1.05) G4(-3.85,-1.05) G5(-3.85,-2.45) G6(-3.85,-3.85) G7(-2.45,3.85) G8(-2.45,2.45) G9(-2.45,1.05) G10(-2.45,-1.05) G11(-2.45,-2.45) G12(-2.45,-3.85) G13(-1.05,3.85) G14(-1.05,2.45) G15(-1.05,1.05) G16(-1.05,-1.05) G17(-1.05,-2.45) G18(-1.05,-3.85) G19(1.05,3.85) G20(1.05,2.45) G21(1.05,1.05) G22(1.05,-1.05) G23(1.05,-2.45) G24(1.05,-3.85) G25(2.45,3.85) G26(2.45,2.45) G27(2.45,1.05) G28(2.45,-1.05) G29(2.45,-2.45) G30(2.45,-3.85) G31(3.85,3.85) G32(3.85,2.45) G33(3.85,1.05) G34(3.85,-1.05) G35(3.85,-2.45) G36(3.85,-3.85)
  silkscreen extent -6.85,-6.9 6.85,6.9, body extent -6.7,-6.75 6.7,6.75, height 2
"MSOP8 _SMALLER" [mm]
  rect 1.04x0.38 smd mask+0.076: 1(-1.9,0.975) 2(-1.9,0.325) 3(-1.9,-0.325) 4(-1.9,-0.975) 5(1.9,-0.975) 6(1.9,-0.325) 7(1.9,0.325) 8(1.9,0.975)
  silkscreen extent -1.5,-1.6 1.5,1.6, body extent -1.5,-1.6 1.5,1.6, height 0.9
NHD-4.3-480272MB-ASXN-CTP [mm] "LCD TFT DISPLAY WVGA 4.3\" CAP T/S"
  round 6 hole 3.2: ""(-61.09,-22.225) ""(61.09,-22.225) ""(61.09,22.225)
  round 6 hole 3.2 unplated: ""(-61.09,22.225)
  L1 keep-out region: -66.5,29 -52.9,29 -52.9,15 -66.5,15
  L1 keep-out region: -66.4,-15.4 -52.8,-15.4 -52.8,-29.4 -66.4,-29.4
  L1 keep-out region: 52.9,-15.3 66.5,-15.3 66.5,-29.3 52.9,-29.3
  L1 keep-out region: 52.9,29.2 66.5,29.2 66.5,15.2 52.9,15.2
  L1 keep-out region: -46.6,-20.65 -44.1,-18.15 -40.7,-18.15 -38.4,-20.45 -38.4,-23.95 -40.7,-26.25 -44.2,-26.25 -46.6,-23.85
  L1 keep-out region: -46.175,-20.825 -43.925,-18.575 -40.875,-18.575 -38.825,-20.625 -38.825,-23.775 -40.875,-25.825 -44.025,-25.825 -46.175,-23.675
  L1 keep-out region: 38.75,23.575 41,25.825 44.05,25.825 46.1,23.775 46.1,20.625 44.05,18.575 40.9,18.575 38.75,20.725
  L1 keep-out region: 38.975,-20.925 41.225,-18.675 44.275,-18.675 46.325,-20.725 46.325,-23.875 44.275,-25.925 41.125,-25.925 38.975,-23.775
  L1 keep-out region: -46.2,23.65 -43.95,25.9 -40.9,25.9 -38.85,23.85 -38.85,20.7 -40.9,18.65 -44.05,18.65 -46.2,20.8
  silkscreen extent -52.8,-35 52.8,35, body extent -66.3,-79.21 66.28,35.01, height 14.43